# Altium PCB EVB-ANNA-B5x5_Certifi.PcbDoc (part 4 of 6) (continued)
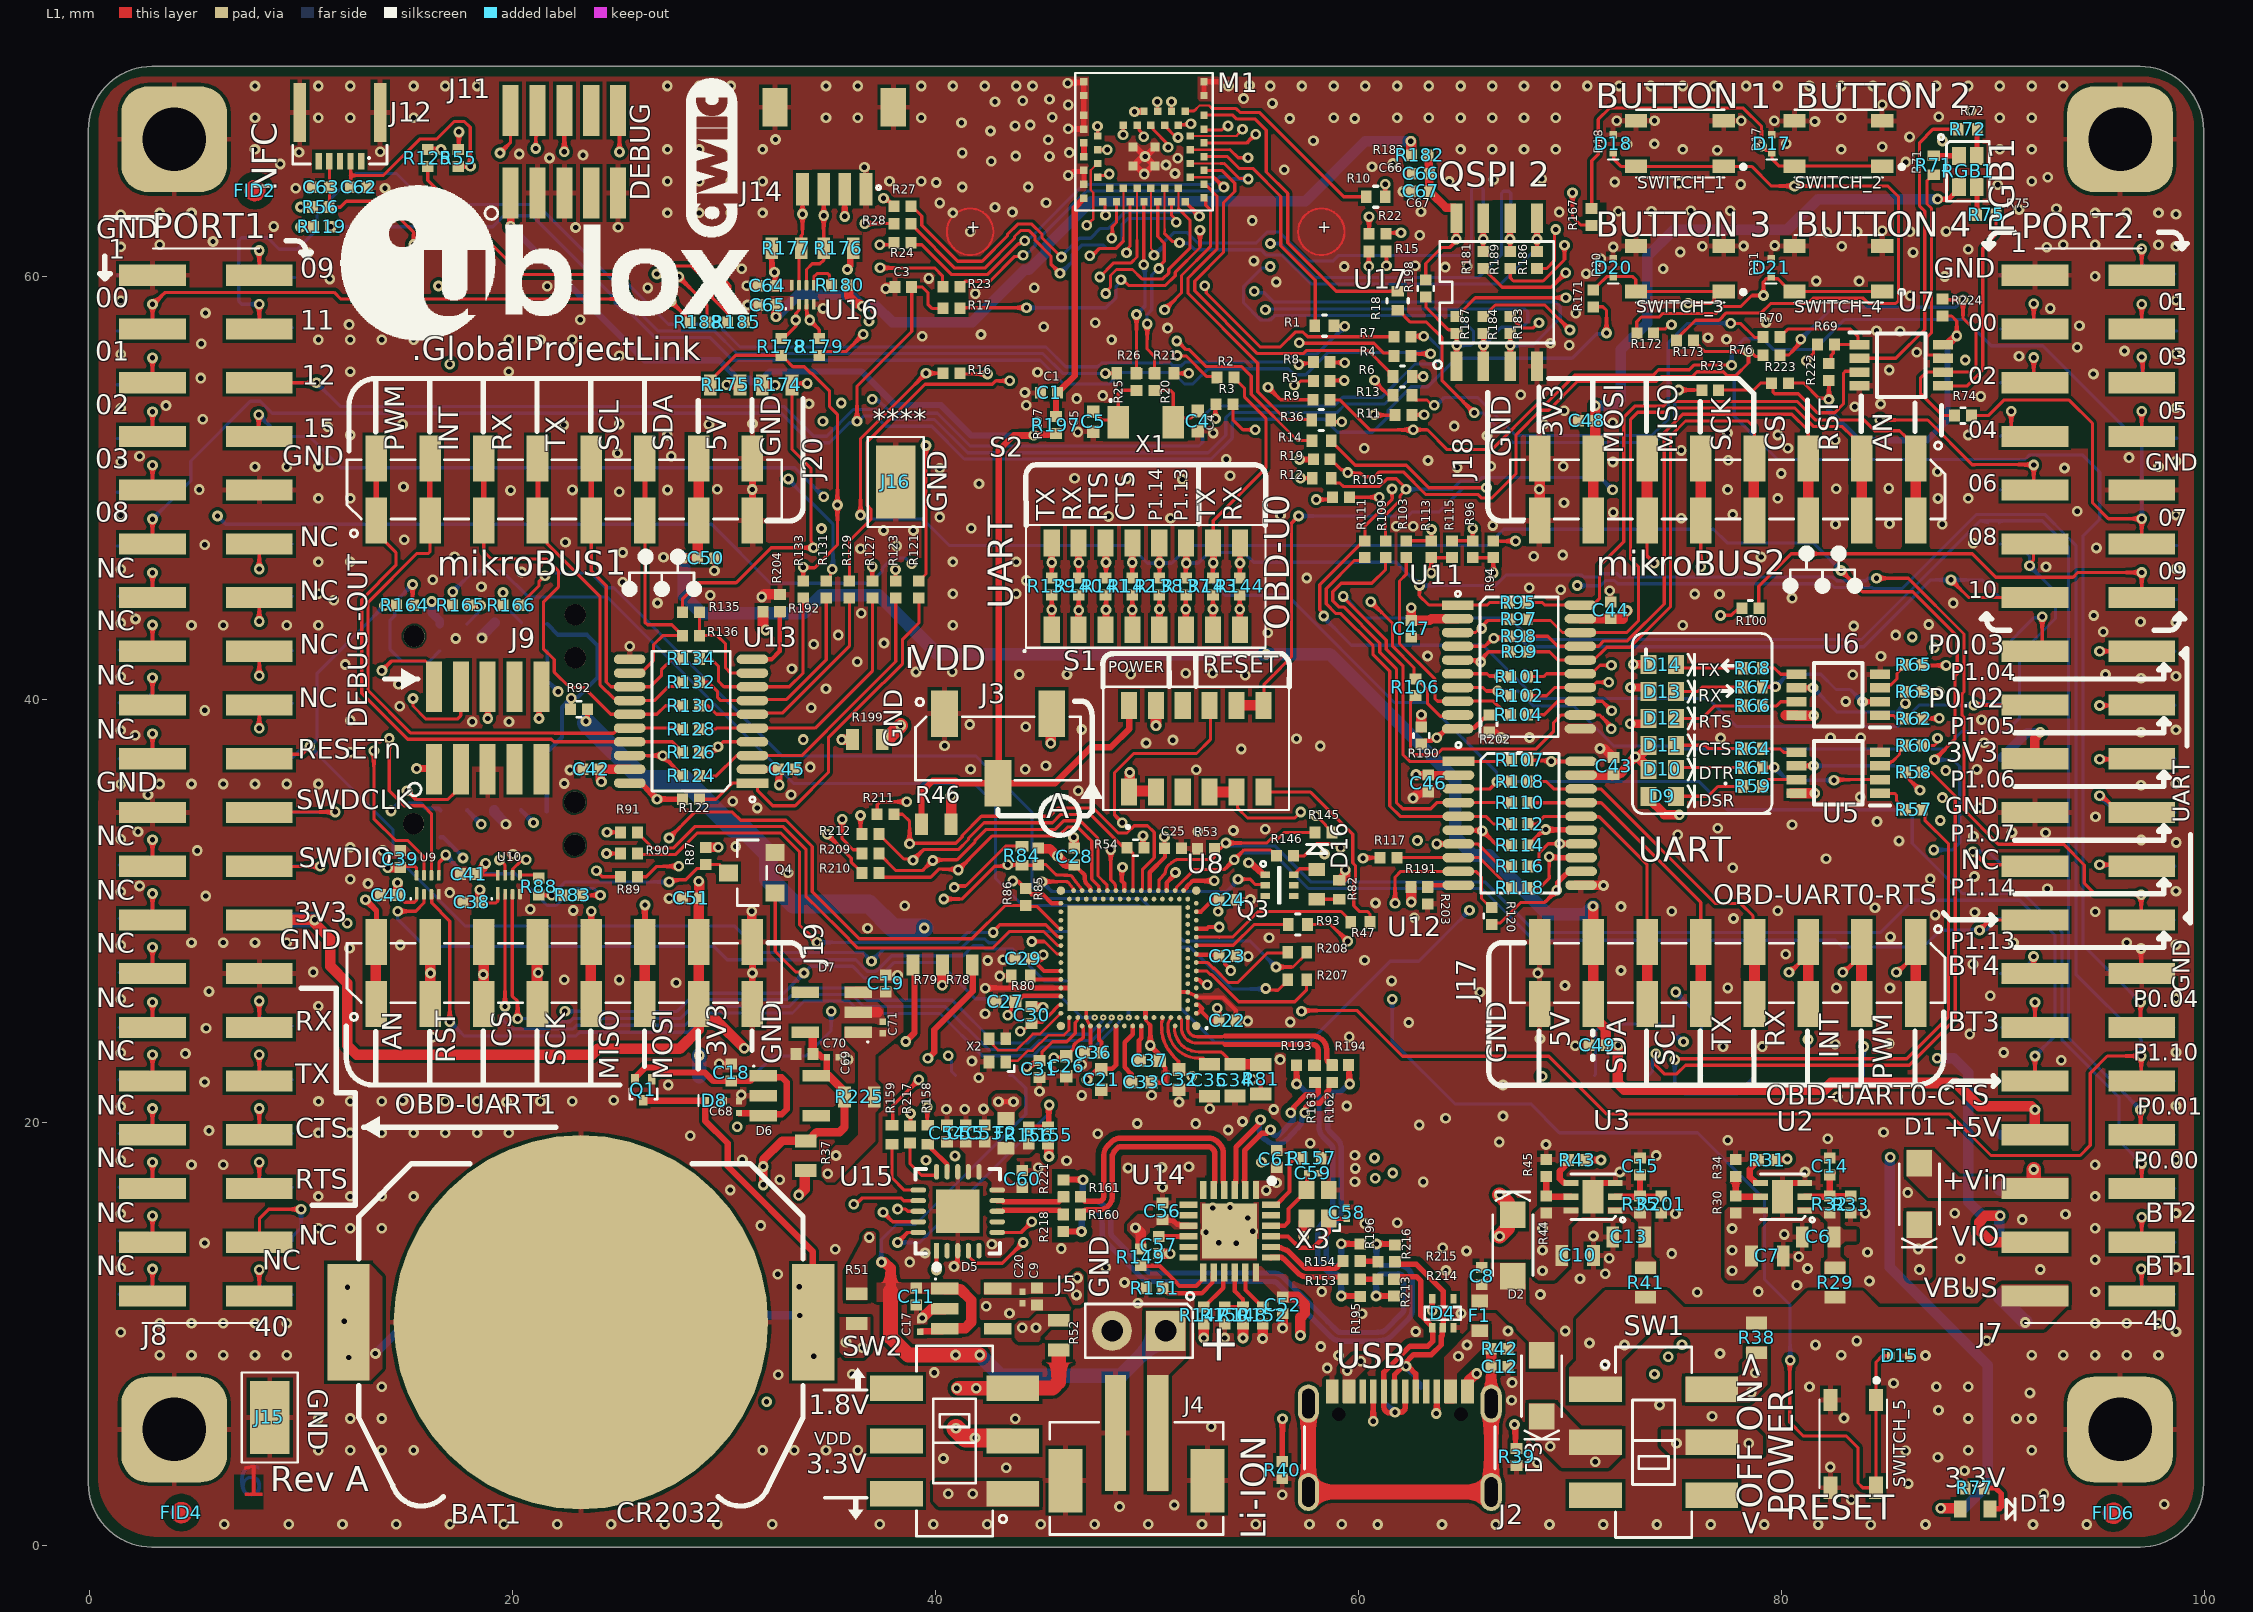
[diagram p0: L1 view]
## Nets (pads, with @x,y where several pads share a name; then routed paths per layer and width w, separated by ;. In a path a pad name is that pad's centre, name@x,y a point inside that pad or via, vN(x,y) a via of type N, cw(c..) or ccw(c..) an arc to the next point about the centre after c; other vN are vias at no path point) (continued)
  L1 w0.2: R147.1@52.679,11.288 52.694,11.288 53.602,12.196 53.602,12.883 U14.15@53.646,12.926
NetR148_1: R148.1 R150.2 U14.16 | length 2.7
  L1 w0.2: R150.2@53.7,11.321 R150.2@53.667,11.288 R148.1@54.531,11.288 54.531,11.65 54.146,12.035 U14.16@54.146,12.926
NetR149_1: R149.1 U14.13 | length 3.8
  L1 w0.2: R149.1@49.69,13.24 50.587,13.24 51.309,12.518 51.309,12.51 51.533,12.285 52.321,12.285 52.646,12.61 U14.13@52.646,12.926
NetR151_1: R151.1 U14.14 | length 3.2
  L1 w0.2: R151.1@50.755,12.183 50.755,12.168 50.988,11.935 52.583,11.935 53.096,12.448 53.096,12.876 U14.14@53.146,12.926
NetR152_2: R152.2 U14.17 | length 2
  L1 w0.2: U14.17@54.646,12.926 54.646,12.098 55.455,11.288 R152.2@55.47,11.288
NetR155_2: R155.2 R156.2 U15.20 | length 13.2
  L1 w0.15: v1(38.201,14.343) 38.674,14.816 U15.20@39.18,14.816
  L1 w0.25: R156.2@44.399,19.797 R155.2@45.313,19.797 45.345,19.829 45.345,20.807 v1(45.376,20.839)
  L6 w0.15: v1(38.201,14.343) 39.258,14.343 45.376,20.461 v1(45.376,20.839)
NetR157_2: R157.2 U14.24 | length 3.2
  L1 w0.2: U14.24@55.846,16.126 56.111,16.126 56.736,16.751 56.736,18.085 56.903,18.252 57.281,18.252 R157.2@57.336,18.308
NetR158_1: R158.1 U15.14 | length 1.8
  L1 w0.215: R158.1@39.63,19.049 39.68,19.049 39.823,18.907 39.823,18.757 40.541,18.039 40.541,17.687 U15.14@40.546,17.682
NetR159_1: R159.1 U15.16 | length 3.1
  L1 w0.15: R159.1@37.938,18.99 37.938,17.393 38.515,16.816 U15.16@39.18,16.816
NetR180_1: R180.1 U16.5 | length 1.7
  L1 w0.15: U16.5@34.242,59.596 34.242,60.003 34.389,60.15 34.896,60.15 34.985,60.061 34.985,59.682 R180.1@35.067,59.6
NetR190_1: R190.1 R202.1 U11.10 | length 3.8
  L1 w0.2: R190.1@62.967,37.903 63.127,38.063 63.447,38.063 63.587,38.203 v1(63.697,38.203) 63.715,38.203 64.188,38.676 65.468,38.676 65.901,39.109 66.011,39.109 R202.1@66.171,39.269
NetR191_1: R191.1 R203.1 U12.10 | length 1.5
  L1 w0.2: R191.1@63.267,31.146 63.355,31.234 U12.10@64.718,31.234
NetR192_1: R192.1 R204.1 U13.10 | length 3.3
  L1 w0.2: U13.10@31.336,41.911 32.244,41.911 32.626,42.293 R192.1@32.626,44.154
NetR207_2: R207.2 U8.N1 | length 6.5
  L1 w0.15: U8.N1@52.323,27.176 52.822,27.176 52.995,27.003 53.048,27.003 54.328,25.723 56.979,25.723 57.542,26.286 R207.2@57.542,26.766
NetR208_2: R208.2 U8.R1 | length 5.3
  L1 w0.15: U8.R1@52.323,27.576 52.805,27.576 cw(c52.805,27.426) 52.936,27.498 52.936,27.485 53.119,27.303 53.173,27.303 53.844,26.632 54.288,26.632 55.68,28.024 56.584,28.024 R208.2@56.616,28.056
NetR217_2: R217.2 U15.15 | length 2.6
  L1 w0.15: R217.2@38.79,19.04 38.79,18.056 39.33,17.516 40.003,17.516 40.046,17.559 U15.15@40.046,17.682
NetU8_B30: U8.B30 X2.1 | length 4.1
  L1 w0.125: X2.1@43.327,22.925 43.877,22.925 44.358,23.406 44.587,23.406 45.326,24.145 46.076,24.145 46.305,24.375 U8.B30@46.305,24.886
NetU8_C31: U8.C31 X2.3 | length 4.4
  L1 w0.125: X2.3@42.523,23.971 42.523,23.863 42.581,23.863 42.71,23.734 42.71,23.676 42.951,23.435 43.831,23.435 44.594,24.198 44.937,24.198 45.914,25.176 U8.C31@45.923,25.176
nRESET: J8.20 J11.10 R14.2 R96.2 R115.2 R159.2 R164.1 S1.7 S1.8 TP104.1 | length 171.4
  L1 w0.15: J8.20@8.025,37.27 8.177,37.422 10.046,37.422 v1(10.412,37.788) ; v1(13.945,44.45) 14.502,44.45 R164.1@14.511,44.459 ; J11.10@24.986,67.859 25.053,67.792 v1(25.053,65.903) ; R159.2@37.938,19.89 37.972,19.925 37.972,20.802 v1(39.206,22.036) ; S1.7@55.495,39.733 55.53,39.768 55.53,40.732 55.818,41.02 56.818,42.02 56.818,48.348 v1(57.16,48.69) ; R115.2@64.411,47.514 R96.2@65.39,47.514 v1(65.39,48.098)
  L1 w0.16: R14.2@58.696,52.25 58.696,52.2 58.866,52.03 58.894,52.03 59.834,51.09 62.254,51.09 63.323,50.021 v1@66.025,50.021
  L1 w0.5: S1.8@54.225,39.733 S1.7@55.495,39.733
  L3 w0.15: v1(13.945,44.45) 13.945,45.39 17.516,48.962 17.516,65.749 19.349,67.582 22.343,67.582 24.022,65.903 v1(25.053,65.903) ; v1(36.97,27.637) 36.97,26.303 39.14,24.132 39.14,22.102 v1(39.206,22.036) ; v1(65.243,30.046) 64.96,30.33 64.96,45.353 65.39,45.783 v1(65.39,48.098)
  L4 w0.15: v1(65.39,48.098) 66.162,48.87 66.162,49.336 66.106,49.392 66.106,49.955 v1(66.04,50.021)
  L6 w0.15: TP104.1@9.546,37.211 10.059,37.724 10.347,37.724 v1(10.412,37.788) ; v1(13.945,44.45) 10.756,41.261 10.756,38.132 v1(10.412,37.788) ; v1(57.16,48.69) 62.344,48.69 62.523,48.869 63.789,48.869 64.941,50.021 v1(66.04,50.021) ; v1(65.243,30.046) 62.834,27.637 61.494,27.637 57.661,23.804 53.2,23.804 47.957,29.047 43.505,29.047 42.968,28.51 42.506,28.51 42.332,28.684 41.628,28.684 41.154,28.21 37.542,28.21 v1(36.97,27.637) 36.557,28.05 34.589,28.05 34.587,28.048 34.191,28.048 34.189,28.05 31.74,28.05 30.48,29.31 17.748,29.31 14.343,32.715 14.343,33.858 v1(10.412,37.788)
nRESET-F: D15.1 S1.4 S1.5 SWITCH_5.1 SWITCH_5.2 | length 63.6
  L1 w0.15: S1.5@54.225,35.633 54.279,35.578 54.279,34.876 54.747,34.408 56.982,34.408 v1(57.266,34.693) ; v1(80.408,8.777) 80.38,8.749 80.38,5.833 81.023,5.19 83.06,5.19 83.61,4.64 83.61,2.97 83.837,2.743 SWITCH_5.2@84.46,2.743 SWITCH_5.1@84.46,6.893 84.46,8.686 84.755,8.981 D15.1@85.16,8.981
  L1 w0.5: S1.4@53.063,35.638 S1.5@54.227,35.638
  L4 w0.15: v1(57.266,34.693) 57.266,32.216 56.934,31.883 56.934,29.504 60.597,25.84 v1(61.59,25.84)
  L6 w0.15: v1(61.59,25.84) 61.59,23.856 64.556,20.89 68.133,20.89 69.493,19.53 76.02,19.53 79.194,16.356 79.194,12.591 80.4,11.385 v1@80.4,8.795
OB_H_USB_n: R153.2 R195.1 R214.1 | length 0.8
  L1 w0.255: R153.2@60.067,12.597 60.069,12.595 60.903,12.595 R214.1@60.905,12.597
OB_H_USB_p: R154.2 R196.1 R215.1 | length 0.9
  L1 w0.255: R196.1@60.071,13.475 60.093,13.452 60.883,13.452 R215.1@60.905,13.43
OBD_n: R163.1 R193.1 U8.B4 | length 8.4
  L1 w0.15: 53.569,23.766 cw(c53.569,23.616) 53.675,23.722
  L1 w0.153: U8.B4@51.523,24.976 51.523,24.939 cw(c51.523,24.841) 51.621,24.841 51.621,24.497 ccw(c52.352,24.497) 52.352,23.766 53.569,23.766
  L1 w0.255: 53.696,23.698 57.826,23.698 cw(c57.826,23.443) 58.081,23.451 58.095,23.03 cw(c57.84,23.022) 58.095,23.026 ; R163.1@57.934,22.698 58.081,22.83 58.094,23.003 ; 58.094,23.003 ccw(c57.84,23.022) 58.095,23.025
OBD_nRESET_IN: R84.1 R85.1 S1.9 TP36.1 U8.AL27 | length 32.9
  L1 w0.15: v1(40.38,30.576) 41.241,30.576 42.792,32.128 43.338,32.128 v2(43.405,32.195) ; v2@43.416,32.184 43.427,32.195 44.064,32.195 R84.1@44.081,32.178 ; R84.1@44.087,32.178 R85.1@44.846,32.178 ; R85.1@44.856,32.188 44.873,32.205 45.215,32.205 45.67,31.751 ccw(c45.776,31.857) 45.776,31.707 46.048,31.707 cw(c46.048,31.557) 46.066,31.706 ccw(c46.123,32.152) 46.123,31.702 46.209,31.702 cw(c46.208,31.552) 46.236,31.699 ccw(c46.28,31.92) 46.28,31.695 46.335,31.695 cw(c46.334,31.545) 46.456,31.632 ccw(c52.078,35.639) 46.818,31.168 cw(c46.704,31.071) 46.837,31.139 46.869,31.077 ccw(c47.003,31.146) 46.891,31.046 46.896,31.039 cw(c46.784,30.94) 46.928,30.982 U8.AL27@46.923,30.976 ; v1(48.824,34.186) 48.826,34.184 48.449,34.561 48.449,36.538 49.37,37.459 52.334,37.459 52.99,38.115 52.99,39.697 S1.9@52.955,39.733
  L3 w0.15: v1(40.38,30.576) 40.38,28.924 39.501,28.045 39.501,23.875 40.213,23.162 v1(40.595,23.162)
  L4 w0.15: v2(43.405,32.195) 45.397,34.186 v1(48.824,34.186)
  L6 w0.15: v1(40.595,23.162) 40.595,23.066 40.748,22.913 40.748,22.432 TP36.1@40.941,22.239
OBD_nRESET_OUT: R47.1 S1.6 | length 9.8
  L1 w0.15: S1.6@55.495,35.633 57.728,35.633 59.722,33.639 59.722,32.288 59.846,32.164 59.846,31.508 59.771,31.433 59.771,30.264 60.053,29.982 60.425,29.982 60.535,29.872 R47.1@60.535,29.474
OBD_p: R162.1 R194.1 U8.B2 | length 8.5
  L1 w0.15: 53.569,24.069 ccw(c53.569,24.219) 53.675,24.113
  L1 w0.153: U8.B2@51.914,24.967 51.914,24.506 ccw(c52.352,24.506) 52.352,24.069 53.569,24.069
  L1 w0.2: U8.B2@51.917,24.976 U8.B2@51.923,24.976
  L1 w0.255: 53.696,24.103 cw(c53.696,23.698) 53.698,24.103 57.826,24.103 cw(c57.826,23.443) 58.486,23.465 58.5,23.043 cw(c57.84,23.022) 58.5,23.032 cw(c58.095,23.025) 58.5,23.03 ; 58.5,23.029 ccw(c58.755,23.032) 58.599,22.83 R162.1@58.747,22.698
OBD_USB_n: R193.2 R195.2 | length 13.6
  L1 w0.255: v1(57.066,21.83) R193.2@57.066,22.724 ; v1(59.177,11.81) 59.185,11.801 60.062,11.801 R195.2@60.071,11.792
  L6 w0.255: v1(57.066,21.83) 57.134,21.83 57.511,21.453 57.871,21.453 cw(c57.871,21.198) 58.126,21.198 58.126,19.796 ccw(c58.786,19.796) 58.319,19.329 58.438,19.211 ; 58.382,15.339 58.263,15.221 ccw(c58.73,14.754) 58.07,14.754 58.07,13.69 ccw(c58.73,13.691) 58.264,13.224 58.455,13.033 ccw(c58.922,13.5) 58.919,12.84 ccw(c58.922,13.245) 58.922,12.84 cw(c58.922,12.585) 59.177,12.585 v1(59.177,11.81) ; 58.382,15.34 58.578,15.536 ; 58.438,19.211 58.578,19.071 ; 58.579,15.536 58.697,15.655 ccw(c58.517,15.835) 58.772,15.835 58.772,18.772 ccw(c58.517,18.772) 58.696,18.953 58.579,19.07
OBD_USB_p: R194.2 R196.2 | length 13
  L1 w0.255: v1(59.177,14.275) R196.2@60.071,14.275 ; R194.2@59.531,22.733 59.556,22.708 59.556,21.855 v1(59.581,21.83)
  L6 w0.255: 58.921,13.245 cw(c58.922,13.5) 58.742,13.319 58.55,13.511 cw(c58.73,13.691) 58.475,13.69 58.475,14.754 cw(c58.73,14.754) 58.55,14.935 58.667,15.052 ccw(c58.382,15.34) 58.668,15.053 58.865,15.25 ccw(c58.578,15.536) 58.866,15.251 58.983,15.368 ccw(c58.517,15.835) 59.177,15.835 59.177,18.772 ccw(c58.517,18.772) 58.983,19.238 58.866,19.356 ccw(c58.578,19.071) 58.865,19.357 58.724,19.497 ccw(c58.438,19.211) 58.723,19.498 58.606,19.616 cw(c58.786,19.796) 58.531,19.796 58.531,21.198 cw(c58.786,21.198) 58.786,21.453 59.136,21.453 59.513,21.83 v1(59.581,21.83) ; 58.922,13.245 ccw(c58.922,13.5) 59.177,13.5 v1(59.177,14.275)
OE: Q4.3 R83.2 R87.1 R88.1 | length 10.4
  L1 w0.15: R88.1@21.24,30.767 21.248,30.759 v1(21.844,30.759) 22.432,30.759 R83.2@22.439,30.752 ; v1(27.397,31.388) 27.495,31.486 28.189,31.486 28.731,32.029 28.949,32.029 R87.1@29.134,32.214 29.769,32.214 Q4.3@30.165,31.818 ; Q4.3@30.152,31.818 Q4.3@30.165,31.818 ; Q4.3@30.215,31.818 Q4.3@30.165,31.818
  L6 w0.15: v1(21.844,30.759) 21.867,30.759 22.496,31.388 v1(27.397,31.388)
P0.00/D_TX: J7.36 R2.1 R108.2 R143.2 S2.10 TP80.1 U12.3 | length 78.8
  L1 w0.15: R143.2@53.111,45.774 v1@53.111,46.509 ; S2.10@53.111,47.406 53.126,47.421 53.126,48.464 55.616,50.953 55.616,53.304 54.61,54.31 54.61,54.715 54.107,55.218 R2.1@54.107,55.233 ; U12.3@64.718,35.784 66.199,35.784 66.536,36.122 v1(66.539,36.122) 67.206,36.122 R108.2@67.218,36.133 ; J7.36@97.025,16.918 v1(97.025,18.076)
  L1 w0.25: v1@53.134,46.484 S2.10@53.134,47.383
  L6 w0.15: v1(53.12,46.47) 53.12,45.508 53.686,44.942 56.618,44.942 61.688,39.872 63.227,39.872 66.522,36.577 66.522,36.138 v1(66.539,36.122) ; v1@66.547,36.13 76.102,36.13 77.436,34.796 85.869,34.796 86.178,34.486 86.178,33.204 88.545,30.837 91.419,30.837 93.26,28.996 93.26,23.903 95.95,21.213 95.95,19.151 v1(97.025,18.076) 97.025,17.39 97.525,16.89 TP80.1@98.599,16.89
P0.01/D_RX: J7.34 R3.1 R107.2 R144.2 S2.9 TP78.1 U12.1 | length 99.4
  L1 w0.15: R3.1@54.052,53.965 54.052,53.241 54.523,52.77 v1(55.11,52.77) ; R144.2@54.381,45.759 v1@54.381,46.494 ; v1(54.39,46.459) S2.9@54.39,47.403 ; v1(59.271,44.886) 59.271,44.851 61.305,42.817 61.305,42.391 62.09,41.606 62.09,37.41 62.416,37.084 U12.1@64.718,37.084 67.165,37.084 R107.2@67.218,37.138 ; v1(96.971,20.617) 96.971,19.484 J7.34@97.025,19.43
  L3 w0.15: v1(54.39,46.459) 54.39,47.092 55.092,47.794 55.092,52.723 v1@55.119,52.75
  L4 w0.15: v1(54.39,46.459) 54.834,46.459 56.407,44.886 v1(59.271,44.886)
  L6 w0.15: v1(59.271,44.886) 60.297,43.86 67.147,43.86 68.157,42.85 83.774,42.85 89.385,48.461 92.324,48.461 93.56,47.225 93.56,24.028 v1(96.971,20.617) 96.971,19.931 97.471,19.431 TP78.1@98.545,19.431
P0.02/I2C_SDA: J7.17 R11.2 R111.2 R135.2 R145.2 R174.1 R179.2 TP61.1 | length 124.5
  L1 w0.15: R135.2@28.036,44.14 28.036,44.782 28.785,45.531 30.566,45.531 32.223,47.188 v1(34.223,47.188) 34.155,47.256 34.155,47.444 34.1,47.499 34.1,50.95 33.209,51.841 R174.1@33.209,54.881 33.285,54.957 v1(33.936,54.957) ; R179.2@34.567,56.356 34.683,56.472 35.775,56.472 v1(36.58,57.277) ; v1(57.971,34.511) 58.014,34.511 58.432,34.093 58.432,34.055 58.747,33.74 R145.2@58.747,33.725 ; v1(58.35,43.959) 58.35,44.055 58.158,44.247 58.158,45.442 60.045,47.329 60.109,47.329 R111.2@60.294,47.514 60.294,48.197 61.582,49.485 v1(61.582,49.962) ; R11.2@62.518,53.462 62.525,53.469 v1(63.094,53.469) ; v1@89.081,39.75 J7.17@91.975,39.75
  L3 w0.15: v1(57.971,34.511) 58.88,34.511 59.531,35.161 59.531,44.455 59.93,44.854 59.93,49.21 60.779,50.059 61.184,50.059 61.281,49.962 61.513,49.962 61.573,49.902 v1(61.582,49.962) 61.582,50.857 61.951,51.226 61.951,52.823 62.388,53.26 62.886,53.26 v1(63.094,53.469)
  L4 w0.15: v1(33.936,54.957) 36.187,57.209 36.511,57.209 v1(36.58,57.277) 40.723,53.134 49.263,53.134 49.723,52.675 52.375,52.675 52.93,52.12 53.68,52.12 55.807,49.993 56.603,49.993 57.626,48.97 59.226,48.97 62.526,52.27 62.775,52.27 63.094,52.589 v1(63.094,53.469)
  L6 w0.15: v1(58.35,43.959) 58.35,43.894 59.665,42.579 65.88,42.579 68.403,40.056 76.532,40.056 77.848,38.74 85.496,38.74 86.506,39.751 v1(89.08,39.751) ; v1@63.026,53.537 v1(63.094,53.469) ; v1@89.086,39.745 89.151,39.81 TP61.1@90.4,39.81
P0.03/I2C_SCL: J7.15 R12.2 R109.2 R133.2 R146.2 R175.1 R178.2 TP59.1 | length 112.5
  L1 w0.15: R175.1@29.346,54.885 R175.1@29.35,54.881 29.35,55.081 30.556,56.287 R178.2@32.705,56.287 32.72,56.287 32.905,56.102 32.905,56.087 33.249,55.743 33.793,55.743 34.1,55.436 34.134,55.436 34.985,54.585 34.985,53.861 35.357,53.489 v1(35.357,49.209) 35.357,47.316 34.667,46.627 ; R133.2@33.735,45.605 v1(33.735,46.27) 33.76,46.245 34.285,46.245 34.667,46.627 ; R146.2@56.912,32.619 57.433,32.619 58.009,33.194 58.876,33.194 59.06,33.01 v1(59.157,33.01) ; R12.2@58.707,50.471 58.707,50.423 58.882,50.248 59.115,50.248 59.275,50.087 60.984,50.087 61.347,50.45 61.781,50.45 v1@62.24,49.991 ; R109.2@61.273,47.514 61.273,48.744 61.957,49.428 61.957,49.64 62.24,49.923 v1(62.24,49.951) ; J7.15@91.975,42.29 92.323,42.638 92.323,43.915 v1(92.317,43.921)
  L3 w0.15: v1(59.157,33.01) 59.885,33.738 59.885,43.985 60.036,44.136 60.756,44.136 61.07,44.45 61.07,44.91 60.61,45.37 60.61,48.498 61.575,49.463 61.783,49.463 62.24,49.92 v1(62.24,49.951)
  L4 w0.15: v1(35.357,49.209) 35.371,49.223 54.646,49.223 55.978,47.891 57.508,47.891 57.96,48.343 59.502,48.343 60.232,49.073 61.185,49.073 61.575,49.463 61.804,49.463 62.24,49.899 v1(62.24,49.951) ; v1(72.005,49.923) 72.008,49.926 75.794,49.926 76.4,49.32 78.38,49.32 79.329,48.371 81.609,48.371 82.118,48.88 88.298,48.88 92.317,44.861 v1(92.317,43.921)
  L6 w0.15: v1(62.24,49.951) 64.423,49.951 64.808,50.336 65.66,50.336 65.835,50.511 71.417,50.511 v1(72.005,49.923) ; TP59.1@90.4,42.35 91.925,43.875 92.271,43.875 v1(92.317,43.921)
P0.04/LED_GREEN/SW1: J7.30 R19.2 R76.2 R105.2 R173.2 R217.1 TP73.1 | length 125.3
  L1 w0.15: R217.1@38.79,19.84 38.811,19.861 v1(38.811,20.435) ; v1(57.991,49.463) 58.666,49.463 R105.2@58.774,49.571 ; R19.2@58.657,51.365 58.657,51.35 58.842,51.165 58.888,51.165 59.177,50.876 59.248,50.876 59.384,50.74 v1(59.481,50.74) 59.522,50.699 60.11,50.699 60.264,50.545 60.755,50.545 60.98,50.771 62.112,50.771 63.184,49.699 65.658,49.699 65.822,49.534 66.282,49.534 67.443,50.696 67.443,52.532 68.599,53.688 68.982,53.688 70.341,55.046 74.08,55.046 74.314,55.28 75.767,55.28 75.998,55.511 77.244,55.511 77.43,55.325 77.836,55.325 78.431,55.92 v1(78.431,56.461) ; R173.2@75.83,56.987 75.83,56.972 76.015,56.787 76.03,56.787 76.356,56.461 v1(78.431,56.461) ; R76.2@79.124,56.294 79.061,56.232 78.757,56.232 78.528,56.461 v1(78.431,56.461) ; J7.30@96.968,24.539 v1(96.968,25.697)
  L3 w0.15: v1(38.811,20.435) 38.79,20.456 38.79,20.93 39.71,21.85 39.71,22.411 39.979,22.68 40.82,22.68 41.09,22.95 41.09,23.351 40.771,23.669 40.146,23.669 39.802,24.014 39.802,27.893 40.689,28.781 40.689,30.199 41.75,31.26 41.75,32.345 52.327,42.922 52.327,44.854 52.562,45.088 55.987,45.088 57.991,47.093 v1(57.991,49.463) 58.999,50.471 59.211,50.471 v1(59.481,50.74)
  L6 w0.15: v1(57.991,49.463) v1@58.072,49.463 ; v1(78.431,56.461) 78.431,55.94 77.762,55.27 77.762,53.405 79.808,51.359 91.506,51.359 91.723,51.576 94.217,51.576 95.043,50.749 95.043,48.533 94.24,47.73 94.24,28.425 v1(96.968,25.697) 96.968,25.011 97.468,24.511 TP73.1@98.542,24.511
P1.00/XL1: J8.3 R26.1 R125.2 TP86.1 | length 63.9
  L1 w0.15: J8.3@2.975,57.53 v1(2.975,58.701) 3.009,58.701 3.568,59.26 11.56,59.26 11.875,58.945 v1(25.346,58.945) ; R125.2@15.987,65.209 15.987,64.553 20.442,60.098 24.954,60.098 25.346,59.706 v1@25.346,59.013 ; v1(48.028,55.429) R26.1@48.564,55.429
  L6 w0.15: TP86.1@1.305,57.431 2.407,57.431 2.975,57.999 v1(2.975,58.701) ; v1(25.346,58.945) 26.853,57.438 29.541,57.438 30.609,56.37 45.07,56.37 46.011,55.429 v1(48.028,55.429)
P1.01/XL2: J8.5 R21.1 R127.2 TP89.1 | length 72.7
  L1 w0.15: J8.5@2.975,54.959 J8.5@2.975,54.99 v1(2.975,56.161) ; v1(37.004,46.293) 37.004,45.619 R127.2@37.018,45.605 ; R21.1@51.271,55.433 51.966,55.433 v1(51.968,55.435)
  L3 w0.15: v1(36.85,57.889) 36.85,57.803 37.074,57.578 37.074,57.066 36.515,56.507 36.515,53.895 36.954,53.456 36.954,46.344 v1(37.004,46.293)
  L4 w0.15: v1(2.975,56.161) 6.887,56.161 9.586,58.86 12.43,58.86 14.582,61.012 15.523,61.012 15.671,61.159 33.037,61.159 36.307,57.889 v1(36.85,57.889) 36.85,57.803 37.074,57.578 37.074,57.227 40.862,53.44 49.499,53.44 51.494,55.435 v1(51.968,55.435)
  L6 w0.15: TP89.1@1.305,54.891 2.407,54.891 2.975,55.459 v1(2.975,56.161)
P1.02: J8.7 R55.1 TP91.1 | length 28.8
  L1 w0.15: J8.7@2.975,52.419 J8.7@2.975,52.45 v1(2.975,53.621) ; R55.1@17.429,66.009 17.461,66.04 v1(17.461,66.848)
  L3 w0.15: v1(2.975,53.621) 2.38,54.216 2.38,59.367 7.669,64.657 9.969,64.657 12.16,66.848 v1(17.461,66.848)
  L6 w0.15: TP91.1@1.305,52.351 2.407,52.351 2.975,52.919 v1(2.975,53.621)
P1.02/NFC1: C62.2 J12.2 M1.22 R55.2 R129.2 | length 68.9
  L1 w0.1: 48.875,61.678 M1.22@48.875,64.19
  L1 w0.15: C62.2@12.325,64.223 12.336,64.234 12.336,64.788 ; J12.2@12.336,65.459 12.336,64.788 ; v1(18.004,65.225) 17.993,65.236 17.993,67.067 17.72,67.34 17.231,67.34 16.4,66.509 15.608,66.509 13.887,64.788 12.336,64.788 ; R129.2@35.924,45.605 35.924,47.506 36.941,48.524 36.941,49.015 36.768,49.188 36.768,52.189 39.498,54.919 42.682,54.919 42.839,55.076 v1(43.5,55.076) ; v1(47.291,60.99) 47.388,60.99 47.725,61.327 48.524,61.327 48.875,61.678
  L1 w0.25: R55.2@17.429,65.209 v1@17.797,65.209
  L3 w0.15: v1(43.5,55.076) 43.526,55.076 47.27,58.82 47.27,60.968 v1(47.291,60.99)
  L4 w0.15: v1(18.004,65.225) 21.419,61.81 35.728,61.81 36.56,60.977 40.741,60.977 41.028,60.691 43.756,60.691 43.913,60.534 44.858,60.534 45.745,61.421 46.156,61.421 46.587,60.99 v1(47.291,60.99)
P1.03: J8.9 R56.1 TP93.1 | length 20.2
  L1 w0.15: J8.9@2.975,49.879 J8.9@2.975,49.91 v1(2.975,51.081) ; v1(9.969,63.295) R56.1@10.53,63.295
  L3 w0.15: v1(2.975,51.081) 4.229,52.335 4.229,54.375 4.223,54.381 4.223,58.685 8.833,63.295 v1(9.969,63.295)
  L6 w0.15: TP93.1@1.305,49.811 2.407,49.811 2.975,50.379 v1(2.975,51.081)
P1.03/NFC2: C63.1 J12.4 M1.23 R56.2 R131.2 | length 77.8
  L1 w0.1: 49.525,61.748 M1.23@49.525,64.19
  L1 w0.15: C63.1@11.33,64.206 11.338,64.197 11.338,63.303 R56.2@11.33,63.295 11.341,63.283 11.856,63.283 12.143,63.57 14.043,63.57 14.69,62.923 14.69,62.732 15.32,62.101 v1(15.32,61.526) ; J12.4@11.336,65.459 11.336,64.234 C63.1@11.347,64.223 ; R131.2@34.83,45.605 34.845,45.605 35.03,45.79 35.03,45.98 35.117,46.068 v1(35.117,46.165) ; v1(47.756,59.986) 48.424,60.654 49.241,60.654 49.519,60.932 49.519,61.742
  L3 w0.15: v1(15.32,61.526) 15.32,58.341 17.03,56.632 v1(17.03,55.866) ; v1@35.067,46.115 v1(35.117,46.165)
  L4 w0.15: v1(15.32,61.526) 15.356,61.49 35.535,61.49 37.102,59.923 37.606,59.923 38.322,60.64 40.612,60.64 40.876,60.376 41.896,60.376 43.625,60.376 43.785,60.216 45.136,60.216 45.698,59.653 46.055,59.653 46.388,59.986 v1(47.756,59.986) ; v1(17.03,55.866) 17.071,55.824 17.071,55.219 21.85,50.44 v1(33.04,50.44)
  L6 w0.15: v1(33.04,50.44) 33.04,50.404 35.151,48.293 35.151,46.199 v1(35.117,46.165)
P1.04/UART1_TX: J7.16 R28.2 R139.2 S2.16 TP60.1 | length 93.5
  L1 w0.15: v1(36.647,62.513) 38.031,62.513 R28.2@38.043,62.501 ; R139.2@45.491,45.756 v1(45.491,46.491) ; v1(95.031,42.29) J7.16@97.025,42.29
  L1 w0.25: v1@45.481,46.491 S2.16@45.481,47.407
  L3 w0.15: v1(36.647,62.513) 36.647,61.892 36.556,61.801 36.556,59.355 37.558,58.353 37.558,56.108 45.491,48.174 v1(45.491,46.491) ; v1(86.178,42.966) 86.194,42.95 94.371,42.95 v1(95.031,42.29)
  L4 w0.15: v1(45.491,46.491) 46.304,47.304 55.226,47.304 55.618,46.912 63.766,46.912 64.78,45.898 64.78,41.512 67.212,39.08 68.677,39.08 74.856,32.901 80,32.901 84.94,37.841 84.94,40.548 86.178,41.786 v1(86.178,42.966)
  L6 w0.15: v1(95.031,42.29) TP60.1@98.599,42.29
P1.05/UART1_RX: J7.18 R27.2 R140.2 S2.15 TP62.1 | length 91.1
  L1 w0.15: v1(37.533,63.716) 37.666,63.716 R27.2@38.043,63.339 ; R140.2@46.761,45.74 v1@46.761,46.476 ; v1(95.031,39.726) 97.001,39.726 J7.18@97.025,39.75
  L1 w0.25: v1@46.753,46.494 S2.15@46.753,47.438
  L3 w0.15: v1(37.533,63.716) 37.165,63.348 37.165,61.985 36.871,61.692 36.871,59.51 37.876,58.505 37.876,56.221 45.8,48.298 45.8,47.44 v1(46.761,46.479) ; v1(87.217,42.457) 88.327,42.457 91.057,39.726 v1(95.031,39.726)
  L4 w0.15: v1(46.761,46.479) 47.268,46.985 49.506,46.985 49.795,46.696 49.795,46.204 50.082,45.917 54.938,45.917 55.604,45.25 62.083,38.771 68.517,38.771 74.717,32.572 80.122,32.572 85.26,37.71 85.26,40.424 87.217,42.381 v1(87.217,42.457)
  L6 w0.15: v1(95.031,39.726) 95.043,39.739 98.587,39.739 TP62.1@98.599,39.75
P1.06/UART1_RTS: J7.20 R23.1 R141.2 S2.14 TP64.1 | length 86.9
  L1 w0.15: v1@37.384,60.417 39.948,60.417 40.321,60.044 40.321,59.551 R23.1@40.346,59.526 ; R141.2@48.055,45.759 v1(48.055,46.494) ; v1(95.031,37.187) 97.002,37.187 J7.20@97.025,37.21
  L1 w0.25: v1@48.035,46.485 S2.14@48.035,47.429
  L3 w0.15: v1(37.373,60.428) 40.606,57.195 40.606,53.932 v1@48.044,46.494 ; v1(87.497,34.29) 87.497,34.332 87.018,34.811 87.018,35.731 87.314,36.027 93.872,36.027 v1(95.031,37.187)
  L4 w0.15: v1(48.055,46.494) 48.616,46.494 49.82,45.29 54.695,45.29 62.875,37.11 66.851,37.11 72.811,31.15 84.858,31.15 86.716,33.008 86.716,33.509 v1(87.497,34.29)
  L6 w0.15: v1(95.031,37.187) 95.043,37.199 98.587,37.199 TP64.1@98.599,37.21
P1.07/UART1_CTS: J7.22 R24.1 R142.2 S2.13 TP65.1 | length 83.5
  L1 w0.15: v1(37.363,61.506) 37.924,61.506 R24.1@38.031,61.614 ; v1@49.293,46.406 v1@49.293,46.431 ; R142.2@49.301,45.724 v1@49.301,46.46 ; v1(95.031,35.465) 95.099,35.396 95.224,35.396 95.95,34.67 J7.22@97.025,34.67
  L1 w0.25: v1@49.293,46.488 S2.13@49.293,47.546
  L3 w0.15: v1@37.372,61.497 37.418,61.451 37.418,61.122 37.876,60.664 37.876,60.388 40.959,57.305 40.959,54.037 48.011,46.985 48.808,46.985 v1(49.301,46.491) ; v1@87.558,35.465 87.581,35.442 87.843,35.442 87.866,35.465 v1(95.031,35.465)
  L4 w0.15: v1(49.301,46.491) 49.301,46.247 49.955,45.593 54.821,45.593 63.004,37.41 67.015,37.41 72.955,31.47 84.73,31.47 86.393,33.133 86.393,34.093 87.599,35.299 v1(87.599,35.374)
  L6 w0.15: v1(95.031,35.465) 95.826,34.67 TP65.1@98.599,34.67
P1.08/EXTREF/SW3: C3.2 J8.11 R17.1 R94.2 R171.2 TP94.1 | length 105.3
  L1 w0.15: J8.11@2.975,47.339 J8.11@2.975,47.37 v1(2.975,48.541) ; v1(36.28,53.165) 36.28,54.82 38.869,57.409 C3.2@38.869,59.514 39.372,59.514 39.632,59.254 39.632,58.697 39.825,58.504 R17.1@40.346,58.504 ; R94.2@66.369,47.514 66.383,47.5 v1(67.421,47.5) ; R171.2@71.095,58.579 71.548,58.579 71.716,58.411 v1(71.716,57.342)
  L3 w0.15: v1(67.421,47.5) 67.421,53.048 v1(71.716,57.342)
  L6 w0.15: TP94.1@1.305,47.271 2.407,47.271 2.975,47.839 v1(2.975,48.541) 4.78,50.346 4.78,51.288 7.602,54.11 8.076,54.11 8.637,53.549 32.702,53.549 34.104,52.148 34.981,52.148 35.929,53.096 36.212,53.096 v1(36.28,53.165) 36.346,53.165 36.591,53.41 37.157,53.41 37.64,52.927 39.813,52.927 41.36,51.38 53.031,51.38 54.022,52.372 54.022,53.128 54.154,53.26 58.39,53.26 58.999,52.651 60.657,52.651 61.392,53.387 61.392,53.698 62.49,54.796 63.265,54.796 64.611,56.142 70.091,56.142 71.237,57.288 71.662,57.288 v1(71.716,57.342)
P1.09/LED_BLUE: J8.2 R18.1 R73.2 TP85.1 | length 104.3
  L1 w0.15: J8.2@8.025,60.039 J8.2@8.025,60.07 v1(8.025,61.241) ; v1(38.869,46.43) v1@38.937,46.499 ; R18.1@61.846,58.407 61.896,58.407 62.446,57.857 63.208,57.857 63.933,57.131 63.933,55.096 v1(65.462,53.568) ; v1(75.132,54.647) R73.2@76.13,54.647
  L3 w0.15: v1(6.046,48.689) 6.046,59.262 v1(8.025,61.241)
  L4 w0.15: v1(38.869,46.43) 38.883,46.43 40.043,47.589 45.685,47.589 46.025,47.93 55.48,47.93 55.845,47.565 63.663,47.565 65.468,49.37 65.468,53.561 v1(65.462,53.568)
  L6 w0.15: v1(6.046,48.689) 6.441,48.295 29.409,48.295 32.193,45.51 36.909,45.51 37.483,46.084 37.483,46.208 37.981,46.705 38.558,46.705 38.834,46.43 v1(38.869,46.43) ; v1(8.025,61.241) 8.025,60.539 8.593,59.971 TP85.1@9.695,59.971 ; v1(65.462,53.568) 65.473,53.557 65.891,53.557 67.288,52.16 73.995,52.16 74.946,53.111 74.946,54.365 75.132,54.55 v1(75.132,54.647)
P1.10/SW2: J7.32 R10.1 R158.2 R167.2 TP76.1 | length 155.7
  L1 w0.15: v1(39.606,20.746) 39.606,19.914 R158.2@39.63,19.89 ; v1(57.298,25.276) 57.333,25.311 59.907,25.311 62.075,23.142 68.984,23.142 71.708,20.418 87.932,20.418 89.9,18.45 94.11,18.45 94.593,18.933 94.593,22.348 95.402,23.157 v1(96.996,23.157) J7.32@96.996,21.999 ; v1(61.258,64.368) 61.258,63.787 R10.1@61.264,63.781 ; v1(70.11,63.966) 70.11,62.829 70.49,62.449 70.985,62.449 R167.2@71.008,62.426
  L3 w0.15: v1(61.258,64.368) 61.738,64.368 61.888,64.518 63.488,64.518 64.04,63.966 v1(70.11,63.966) ; v1@70.16,63.958 72.517,61.602 72.517,56.86 70.336,54.679 v1@70.336,45.424
  L4 w0.15: v1(39.606,20.746) 39.669,20.684 39.669,20.431 39.934,20.165 46.542,20.165 47.923,21.546 47.923,22.207 49.836,24.12 49.935,24.12 49.952,24.137 56.933,24.137 57.298,24.502 v1(57.298,25.276)
  L6 w0.15: v1(70.336,45.404) 70.353,45.387 71.427,45.387 71.68,45.64 72.093,45.64 72.247,45.486 82.301,45.486 82.472,45.314 84.262,45.314 84.314,45.262 85.716,45.262 89.215,48.761 92.448,48.761 93.446,47.763 93.91,47.299 93.91,27.023 96.996,23.937 v1(96.996,23.157) 96.996,22.471 97.496,21.971 TP76.1@98.57,21.971
P1.11: J8.4 R1.1 TP87.1 | length 67.2
  L1 w0.15: J8.4@8.025,57.53 v1(8.025,58.701) ; R1.1@58.834,57.688 58.869,57.653 v1(59.338,57.653)
  L6 w0.15: TP87.1@9.6,57.585 8.439,57.585 8.025,57.999 v1(8.025,58.701) 7.195,58.701 7.05,58.846 7.05,61.708 7.182,61.84 8.415,61.84 8.955,61.3 9.816,61.3 10.756,62.239 10.756,63.05 12.586,64.88 14.51,64.88 15.98,63.41 21.168,63.41 24.836,59.741 25.376,59.741 27.367,57.75 29.68,57.75 30.75,56.68 45.219,56.68 46.159,55.74 47.661,55.74 47.841,55.92 51.086,55.92 51.216,55.79 51.62,55.79 51.799,55.969 56.589,55.969 56.973,56.353 58.038,56.353 v1(59.338,57.653)
P1.12: J8.6 R6.1 TP90.1 | length 61.2
  L1 w0.15: J8.6@8.025,54.99 v1(10.725,54.99) ; R6.1@62.475,55.284 62.479,55.28 v1(63.06,55.28)
  L6 w0.15: TP90.1@9.546,54.99 v1@10.724,54.99 ; v1(10.725,54.99) 11.844,53.87 32.826,53.87 34.236,52.46 34.851,52.46 36.111,53.72 37.304,53.72 37.782,53.242 39.948,53.242 41.51,51.68 52.885,51.68 53.718,52.514 53.718,53.325 53.966,53.573 58.968,53.573 59.379,53.985 61.228,53.985 62.523,55.28 v1(63.06,55.28)
P1.13/WAKE_UP: J7.26 R36.2 R95.2 R137.2 S2.11 TP70.1 U11.1 | length 82.4
  L1 w0.15: R137.2@51.829,45.756 v1@51.829,46.491 ; R36.2@58.673,53.223 58.751,53.145 v1(59.198,53.145) ; v1(62.872,45.405) 62.872,44.926 63.319,44.478 U11.1@64.683,44.478 66.078,44.478 66.197,44.597 R95.2@67.139,44.597 ; v1(84.487,45.747) 85.982,45.747 88.622,43.106 88.622,40.364 88.533,40.275 88.533,39.26 88.622,39.172 88.622,34.796 90.247,33.17 93.328,33.17 94.31,32.188 94.31,31.33 94.81,30.83 96.943,30.83 v1@97.025,30.748 ; v1(96.996,30.777) 96.996,29.619 J7.26@97.025,29.59
  L1 w0.25: v1(51.85,46.459) S2.11@51.85,47.397
  L3 w0.15: v1(51.85,46.459) 52.351,46.96 53.815,46.96 54.781,47.926 54.781,52.392 54.619,52.554 54.619,52.968 54.911,53.26 58.687,53.26 58.802,53.145 v1(59.198,53.145)
  L6 w0.15: v1(51.85,46.459) 52.418,46.459 52.915,46.957 54.571,46.957 55.031,46.497 61.781,46.497 v1(62.872,45.405) 66.481,45.405 66.968,45.892 70.556,45.892 70.649,45.8 71.384,45.8 71.538,45.954 72.236,45.954 72.39,45.8 82.42,45.8 82.592,45.628 83.978,45.628 84.097,45.747 v1(84.487,45.747) ; v1(96.996,30.777) 96.996,30.091 97.496,29.591 TP70.1@98.57,29.591